# KiCad board alu_ctrl.kicad_pcb (continued)
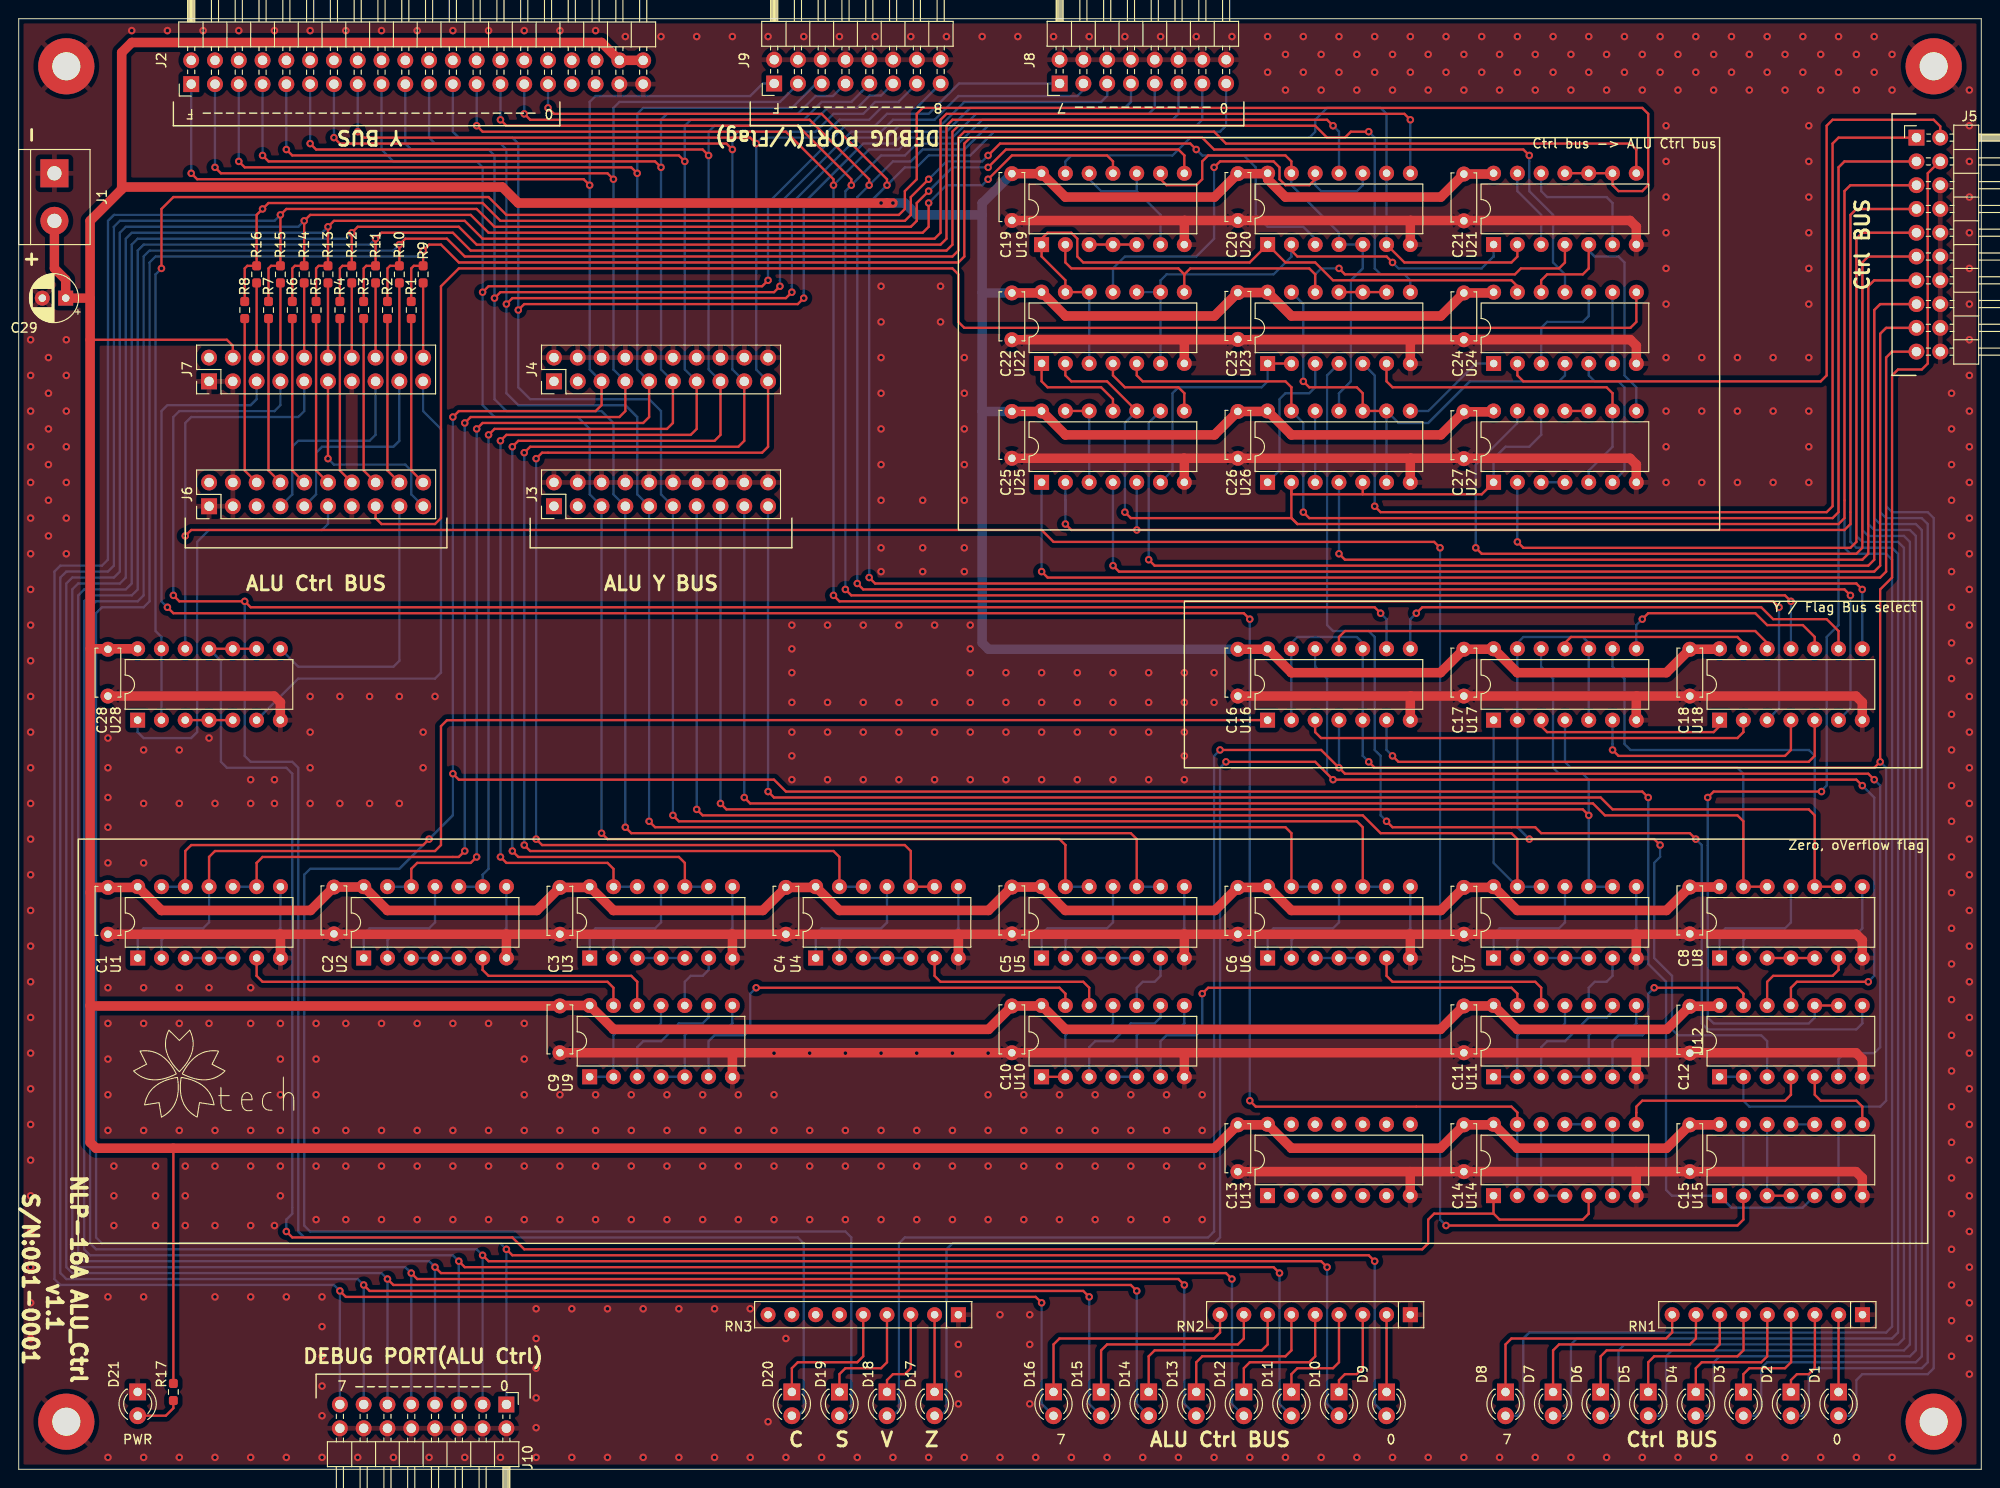
[diagram p0: board, top side]
## Routing (per net, layer and track width the routed paths; a pad name or vN(x,y) marks a point on that pad's centre or on a via; arc(x,y) is an arc through that point) (continued)
Y_Flag_BUS2: length 235.9
  Top w0.25: v1(189.23,92.71) 188.59,93.34 88.9,93.34 v1(88.27,93.98) ; v1(88.9,137.16) 88.9,137.8 83.19,143.51 52.07,143.51 v1(51.44,144.15)
  Bottom w0.25: U18.11 189.22,92.7 v1(189.23,92.71) ; 51.44,147.95 v1(51.44,144.15) ; J8.11 123.84,144.79 123.19,144.15 102.87,144.15 100.33,141.6 95.88,141.6 94.61,140.34 92.08,140.34 v1(88.9,137.16) 88.27,136.53 v1(88.27,93.98)
Y_Flag_BUS3: length 243.8
  Top w0.25: v1(86.99,93.34) 87.63,92.71 187.32,92.71 v1(187.96,92.08) ; v1(48.89,143.51) 49.53,142.88 81.91,142.88 86.99,137.8 v1(86.99,137.16)
  Bottom w0.25: U18.3 187.94,81.28 187.96,81.28 v1(187.96,92.08) ; v1(86.99,93.34) v1(86.99,137.16) 90.8,140.97 93.98,140.97 95.25,142.24 99.69,142.24 102.23,144.78 120.65,144.78 121.3,145.43 J8.9 ; 48.89,147.95 v1(48.89,143.51)
Y_Flag_sel: length 210.1
  Top w0.25: v1(144.15,75.56) 144.78,74.93 198.12,74.93 v1(198.75,75.56) 198.75,93.98 200.03,95.25 200.03,116.84 200.66,117.47 203.2,117.47 203.84,118.11 203.84,138.43 205.1,139.7 J5.4
  Bottom w0.25: U12.1 184.15,41.92 ; v1(198.75,75.56) 199.39,74.93 199.39,39.37 198.75,38.73 184.78,38.73 184.15,39.37 184.15,41.91 ; U16.2 U16.13 135.88,88.26 136.53,88.9 142.88,88.9 143.5,88.27 U16.10 U16.5 143.5,76.2 v1(144.15,75.56)
Z: length 215.4
  Top w0.25: v1(128.91,75.56) 138.43,75.56 v1(140.34,73.66) 196.22,73.66 v1(196.85,73.03) ; U12.11 189.22,51.43 189.87,52.07 v1(197.48,52.07)
  Bottom w0.25: v1(197.48,52.07) 198.12,52.7 198.12,71.75 v1(196.85,73.03) ; D17.2 98.43,5.72 99.06,6.35 99.06,23.5 99.69,24.13 127.63,24.13 128.27,24.76 128.27,74.93 v1(128.91,75.56) ; v1(140.34,73.66) 139.7,74.3 139.7,84.45 138.42,85.73 U16.12
~{A_sign}: length 222.3
  Top w0.25: U28.11 U28.9 ; U14.5 167.63,27.31 167.64,27.31 167,26.67 158.12,26.67 157.47,27.31 ; 157.47,27.31 157.46,27.31 151.13,27.31 150.5,26.67 150.5,24.13 149.86,23.5 53.97,23.5 52.7,24.76 29.21,24.76 v1(28.57,25.4) ; 157.47,27.31 U14.1
  Bottom w0.25: v1(28.57,25.4) 28.57,26.67 29.21,27.31 29.21,74.3 28.57,74.93 22.22,74.93 21.59,75.56 21.59,86.36 U28.11
~{C0}: length 73.7
  Top w0.25: U24.13 160.02,126.37 159.38,127 140.34,127 138.43,128.91 135.25,128.91 133.34,130.81 133.34,130.82 131.43,128.91 113.66,128.91 113.03,129.54 113.03,131.44 112.4,132.08 109.85,132.08 109.22,131.44 109.22,129.55 111.75,127 U22.13 114.29,125.74
  Bottom w0.25: 114.29,118.12 114.29,125.74
~{C1}: length 65
  Top w0.25: 124.45,127.63 125.09,128.27 137.79,128.27 138.43,127.63 138.42,127.63 138.42,125.74 ; 124.45,127.63 124.46,127.63 123.82,128.27 112.4,128.27 111.75,128.91 111.75,130.82 ; 124.45,127.63 124.45,125.74 ; U21.4 165.09,128.9 164.47,128.27 160.39,128.27 159.76,127.63 141.6,127.63 v1(140.97,128.27)
  Bottom w0.25: v1(140.97,128.27) 139.06,128.27 138.42,127.63 138.42,125.74
~{C2}: length 69.2
  Top w0.25: U21.2 160.01,129.53 159.38,128.91 147.95,128.91 146.04,130.81 146.04,130.82
  Bottom w0.25: 146.04,130.82 146.04,138.44 ; U19.13 111.75,139.69 112.4,140.34 123.19,140.34 125.09,142.24 137.79,142.24 138.43,142.88 138.43,144.15 139.7,145.41 145.41,145.41 146.05,144.78 146.05,138.43
~{C3}: length 51.9
  Top w0.25: v1(137.16,116.2) 137.79,115.57 142.88,115.57 143.5,114.94 U26.10 U26.9
  Bottom w0.25: U24.4 165.1,116.84 164.47,116.2 154.94,116.2 150.5,111.76 147.32,111.76 147.32,111.77 U26.9 U26.6 ; U23.13 137.16,124.46 v1(137.16,116.2)
Net-(D1-Pad1): length 8.3
  Top w0.25: D1.1 194.31,16.5 RN1.2
Net-(D2-Pad1): length 10.1
  Top w0.25: RN1.3 191.78,11.44 191.77,11.43 191.77,10.79 191.13,10.16 189.87,10.16 189.23,9.53 D2.1
Net-(D3-Pad1): length 12.6
  Top w0.25: D3.1 184.15,10.16 184.78,10.79 188.59,10.79 189.25,11.44 RN1.4
Net-(D4-Pad1): length 15.1
  Top w0.25: D4.1 179.07,10.79 179.7,11.43 186.06,11.43 186.69,12.06 186.69,12.7 186.7,12.72 RN1.5
Net-(D5-Pad1): length 17.7
  Top w0.25: D5.1 173.99,11.43 174.62,12.06 183.51,12.06 184.16,12.72 RN1.6
Net-(D6-Pad1): length 20.2
  Top w0.25: D6.1 168.91,12.06 169.54,12.7 180.97,12.7 181.62,13.35 RN1.7
Net-(D7-Pad1): length 22.8
  Top w0.25: D7.1 163.83,12.7 164.47,13.34 178.44,13.34 179.09,13.98 RN1.8
Net-(D8-Pad1): length 25.3
  Top w0.25: RN1.9 176.54,14.62 175.9,13.97 159.38,13.97 158.75,13.34 D8.1
Net-(D9-Pad1): length 8.3
  Top w0.25: RN2.2 D9.1
Net-(D10-Pad1): length 10
  Top w0.25: RN2.3 143.51,10.79 142.88,10.16 141.6,10.16 140.97,9.53 D10.1
Net-(D11-Pad1): length 12.6
  Top w0.25: RN2.4 140.97,11.43 140.34,10.79 136.53,10.79 135.89,10.16 D11.1
Net-(D12-Pad1): length 15.1
  Top w0.25: RN2.5 138.43,12.06 137.79,11.43 131.44,11.43 130.81,10.79 D12.1
Net-(D13-Pad1): length 17.7
  Top w0.25: RN2.6 135.89,12.7 135.25,12.06 126.37,12.06 125.73,11.43 D13.1
Net-(D14-Pad1): length 20.2
  Top w0.25: RN2.7 133.35,13.34 132.72,12.7 121.28,12.7 120.65,12.06 D14.1
Net-(D15-Pad1): length 22.8
  Top w0.25: RN2.8 130.81,13.97 130.17,13.34 116.2,13.34 115.57,12.7 D15.1
Net-(D16-Pad1): length 25.3
  Top w0.25: D16.1 110.49,13.34 111.12,13.97 127.63,13.97 128.27,14.6 RN2.9
Net-(D17-Pad1): length 8.2
  Top w0.25: RN3.2 D17.1
Net-(D18-Pad1): length 10
  Top w0.25: D18.1 92.71,9.53 93.34,10.16 94.61,10.16 95.25,10.79 RN3.3
Net-(D19-Pad1): length 12.6
  Top w0.25: D19.1 87.63,10.16 88.27,10.79 92.08,10.79 92.71,11.43 RN3.4
Net-(D20-Pad1): length 15.1
  Top w0.25: RN3.5 90.17,12.06 89.53,11.43 83.19,11.43 82.55,10.79 D20.1
Net-(D21-Pad2): length 5
  Top w0.25: R17.2 16.51,6.53 15.7,5.72 D21.2
Net-(J6-Pad6): length 18
  Top w0.25: J6.6 24.13,106.68 R8.1
Net-(J6-Pad7): length 22
  Bottom w0.25: J7.15 38.1,110.49 37.47,109.85 29.85,109.85 29.21,109.22 29.21,104.13 J6.7
Net-(J6-Pad8): length 18
  Top w0.25: R7.1 26.67,106.68 J6.8
Net-(J6-Pad9): length 22
  Bottom w0.25: J7.17 40.64,109.85 40,109.22 32.39,109.22 31.75,108.58 31.75,104.13 J6.9
Net-(J6-Pad10): length 18
  Top w0.25: J6.10 29.21,106.68 R6.1
Net-(J6-Pad12): length 18
  Top w0.25: 33.03,105.41 31.75,106.68 R5.1
Net-(J6-Pad14): length 18
  Top w0.25: R4.1 34.29,106.68 J6.14
Net-(J6-Pad16): length 18
  Top w0.25: R3.1 36.83,106.68 J6.16
Net-(J6-Pad18): length 18
  Top w0.25: J6.18 39.37,106.68 R2.1
Net-(J6-Pad19): length 21.6
  Top w0.25: J7.11 v1(33.02,107.95)
  Bottom w0.25: v1(33.02,107.95) 33.66,107.31 41.28,107.31 41.91,106.68 41.91,104.14 42.87,103.18
Net-(J6-Pad20): length 18
  Top w0.25: R1.1 41.91,106.68 J6.20
Net-(J7-Pad6): length 8
  Top w0.25: R16.1 J7.6
Net-(J7-Pad8): length 8
  Top w0.25: R15.1 J7.8
Net-(J7-Pad10): length 8
  Top w0.25: R14.1 J7.10
Net-(J7-Pad12): length 8
  Top w0.25: R13.1 J7.12
Net-(J7-Pad14): length 8
  Top w0.25: R12.1 J7.14
Net-(J7-Pad16): length 8
  Top w0.25: R11.1 J7.16
Net-(J7-Pad18): length 8
  Top w0.25: R10.1 J7.18
Net-(J7-Pad20): length 8
  Top w0.25: R9.1 J7.20
Net-(U1-Pad1): length 144.2
  Top w0.25: U16.1 47.63,80.02 47.62,80.01 45.72,80.01 45.08,79.38 45.08,66.67 44.45,66.04 20.96,66.04 20.32,65.41 20.32,65.4 U1.11
  Bottom w0.25: U1.1 12.71,57.14 12.7,57.15 13.33,57.78 19.68,57.78 20.32,58.42 U1.11
Net-(U1-Pad2): length 19.6
  Bottom w0.25: U1.2 15.25,56.52 15.88,57.15 27.31,57.15 27.94,57.78 27.94,59.69 27.94,59.69 U1.8
Net-(U1-Pad3): length 5.1
  Bottom w0.25: U1.3 U1.5
Net-(U1-Pad6): length 42.4
  Top w0.25: U9.13 63.5,51.44 62.86,52.07 26.04,52.07 25.4,52.7 25.4,52.71 U1.6
Net-(U2-Pad1): length 14.5
  Bottom w0.25: U2.1 36.83,57.14 36.83,57.15 37.47,57.78 43.81,57.78 44.45,58.42 U2.11
Net-(U2-Pad2): length 19.6
  Bottom w0.25: U2.8 52.08,57.79 51.44,57.15 40,57.15 39.37,56.52 39.38,56.51 U2.2
Net-(U2-Pad3): length 5.1
  Bottom w0.25: U2.3 U2.5
Net-(U2-Pad6): length 20.8
  Top w0.25: 66.03,49.54 66.03,52.06 66.04,52.07 65.41,52.7 50.16,52.7 49.53,53.34 49.53,53.34 U2.6
Net-(U3-Pad1): length 14.5
  Bottom w0.25: U3.1 60.97,57.14 60.96,57.15 61.59,57.78 67.94,57.78 68.58,58.42 U3.11
Net-(U3-Pad2): length 19.6
  Bottom w0.25: U3.2 63.5,56.51 63.5,56.52 64.13,57.15 75.56,57.15 76.2,57.79 U3.8
Net-(U3-Pad3): length 5.1
  Bottom w0.25: U3.3 U3.5
Net-(U3-Pad6): length 6.9
  Bottom w0.25: 71.11,49.54 71.11,52.06 71.75,52.7 73.02,52.7 73.66,53.34 U3.6
Net-(U4-Pad1): length 14.5
  Bottom w0.25: U4.11 92.71,58.41 92.72,58.41 92.08,57.78 85.73,57.78 85.09,57.14 U4.1
Net-(U4-Pad2): length 19.6
  Bottom w0.25: U4.2 87.63,56.5 88.27,57.14 99.7,57.14 100.33,57.78 100.33,57.78 U4.8
Net-(U4-Pad3): length 5.1
  Bottom w0.25: U4.3 U4.5
Net-(U5-Pad1): length 14.5
  Bottom w0.25: 109.22,54.61 109.22,57.15 109.85,57.78 116.2,57.78 116.84,58.42 116.84,62.23
Net-(U5-Pad2): length 19.6
  Bottom w0.25: 111.76,54.61 111.76,56.52 112.4,57.15 123.82,57.15 124.46,57.78 124.46,62.23
Net-(U5-Pad3): length 5.1
  Bottom w0.25: 114.3,54.61 119.38,54.61
Net-(U6-Pad1): length 14.5
  Bottom w0.25: U6.11 140.97,58.42 140.34,57.78 133.98,57.78 133.35,57.15 U6.1
Net-(U6-Pad2): length 19.6
  Bottom w0.25: U6.8 148.59,57.78 147.95,57.15 136.53,57.15 135.89,56.52 U6.2
Net-(U6-Pad3): length 5.1
  Bottom w0.25: U6.3 U6.5
Net-(U7-Pad1): length 14.5
  Bottom w0.25: 165.1,62.23 165.1,58.42 164.47,57.78 158.12,57.78 157.48,57.15 157.48,54.61
Net-(U7-Pad2): length 19.6
  Bottom w0.25: 160.02,54.61 160.02,56.52 160.66,57.15 172.09,57.15 172.72,57.78 172.72,62.23
Net-(U7-Pad3): length 5.1
  Bottom w0.25: 162.56,54.61 167.64,54.61
Net-(U8-Pad1): length 14.5
  Bottom w0.25: 189.23,62.23 189.23,58.42 188.59,57.78 182.25,57.78 181.61,57.15 181.61,54.61
Net-(U8-Pad2): length 19.6
  Bottom w0.25: 184.15,54.61 184.15,56.52 184.78,57.15 196.22,57.15 196.85,57.78 196.84,57.79 U8.8
Net-(U8-Pad3): length 5.1
  Top w0.25: U8.3 U8.5
Net-(U9-Pad1): length 14.5
  Bottom w0.25: 68.58,49.54 68.58,47.63 68.58,47.62 67.94,46.99 64.13,46.99 63.49,46.35 63.49,41.92 60.95,41.92
Net-(U9-Pad3): length 13.4
  Bottom w0.25: 73.66,49.54 73.66,48.27 73.66,48.26 73.02,47.62 70.48,47.62 68.58,45.72 66.67,45.72 66.03,45.08 66.03,41.92
Net-(U9-Pad4): length 14.5
  Bottom w0.25: 68.58,41.92 71.11,41.92 71.11,46.35 71.75,46.99 75.56,46.99 76.2,47.62 76.19,47.63 76.19,49.54
Net-(U10-Pad1): length 14.5
  Top w0.25: U10.1 U10.2
  Bottom w0.25: U10.2 111.75,46.35 112.4,46.99 116.2,46.99 116.84,47.62 116.84,47.63 U10.11
Net-(U10-Pad3): length 13.4
  Bottom w0.25: 114.29,41.92 114.29,45.08 114.94,45.72 116.84,45.72 118.75,47.62 121.28,47.62 121.92,48.26 121.91,48.27 U10.9
Net-(U10-Pad4): length 14.5
  Bottom w0.25: U10.4 U10.5 119.38,46.35 120.01,46.99 123.82,46.99 124.46,47.62 124.45,47.63 124.45,49.54
Net-(U10-Pad6): length 48
  Top w0.25: v1(126.37,50.8) 127,51.44 159.38,51.44 160.02,50.8 160.01,50.8 U11.13
  Bottom w0.25: U10.6 121.91,45.72 122.56,46.36 125.73,46.36 126.37,46.99 v1(126.37,50.8)
Net-(U10-Pad10): length 6.9
  Bottom w0.25: U10.10 119.38,51.43 120.01,52.07 121.28,52.07 121.92,52.7 121.92,53.33 121.91,53.33 U5.6
Net-(U10-Pad12): length 20.8
  Top w0.25: 114.29,49.54 114.29,51.43 114.3,51.44 113.66,52.07 98.42,52.07 97.79,52.7 U4.6
Net-(U10-Pad13): length 48
  Top w0.25: v1(78.74,51.44) 111.12,51.44 111.76,50.8 111.75,50.8 U10.13
  Bottom w0.25: U9.6 73.66,45.72 74.3,46.36 77.47,46.36 78.1,46.99 78.1,50.8 v1(78.74,51.44)
Net-(U11-Pad1): length 14.5
  Bottom w0.25: U11.1 U11.2 160.01,46.35 160.66,46.99 164.47,46.99 165.1,47.62 165.1,48.4 165.09,48.41 U11.11
Net-(U11-Pad3): length 13
  Bottom w0.25: U11.3 162.56,45.08 163.19,45.72 165.1,45.72 167.64,48.26 169.54,48.26 170.18,48.89 170.18,49.53 U11.9
Net-(U11-Pad4): length 14.5
  Bottom w0.25: U11.4 U11.5 167.63,46.35 168.28,46.99 172.09,46.99 172.72,47.62 172.72,47.63 U11.8
Net-(U11-Pad6): length 23.9
  Top w0.25: 184.15,49.53 184.15,50.79 184.15,50.8 184.15,50.8 183.51,51.44 v1(174.62,51.44)
  Bottom w0.25: U11.6 170.17,45.72 170.81,46.36 173.35,46.36 173.99,46.99 173.99,50.8 v1(174.62,51.44)
Net-(U11-Pad10): length 6.9
  Bottom w0.25: U7.6 170.17,53.34 170.18,53.34 170.18,52.7 169.54,52.07 168.28,52.07 167.63,51.43 U11.10
Net-(U11-Pad12): length 20.8
  Top w0.25: U11.12 162.56,51.43 162.56,51.44 161.92,52.07 146.69,52.07 146.05,52.7 U6.6
Net-(U12-Pad3): length 88
  Top w0.25: v1(175.26,66.67) 174.62,67.31 v1(161.29,67.31)
  Bottom w0.25: v1(175.26,66.67) 175.26,65.41 174.62,64.77 174.62,54.61 176.53,52.7 176.53,46.99 177.16,46.36 186.06,46.36 186.69,45.72 186.69,45.08 186.69,45.08 U12.3 ; U17.10 167.63,88.26 ; U17.10 U17.5 ; U17.10 167.63,88.27 167,88.9 160.66,88.9 160.01,88.26 U17.13 U17.2 160.02,80.02 160.02,68.58 v1(161.29,67.31)
Net-(U12-Pad4): length 20.8
  Top w0.25: U14.8 172.71,38.09 172.72,38.1 172.72,38.73 173.35,39.37 188.59,39.37 189.23,40 189.22,40.01 U12.4
Net-(U12-Pad5): length 9.4
  Top w0.25: 191.77,41.91 191.77,40 192.41,39.37 196.22,39.37 196.85,38.73 196.84,38.73 U15.8
Net-(U12-Pad8): length 127.6
  Top w0.25: v1(179.07,67.31) 178.44,67.94 162.56,67.94 161.92,68.58 146.69,68.58 v1(146.05,69.22)
  Bottom w0.25: U23.4 139.7,116.84 139.7,90.17 140.34,89.53 144.15,89.53 144.78,88.9 144.78,76.83 145.41,76.2 145.41,69.85 v1(146.05,69.22) ; v1(179.07,67.31) 179.7,66.67 179.7,47.62 180.34,46.99 196.22,46.99 196.85,47.62 196.84,47.63 U12.8
Net-(U12-Pad12): length 12
  Top w0.25: U12.12 186.69,52.06 187.32,52.7 193.67,52.7 194.31,53.34 194.31,53.34 194.31,54.61
Net-(U14-Pad6): length 7.6
  Bottom w0.25: U14.6 U14.9
Net-(U14-Pad10): length 2.5
  Bottom w0.25: U14.10 U14.11
Net-(U14-Pad12): length 10.2
  Bottom w0.25: U14.4 U14.3 U14.12
Net-(U15-Pad6): length 7.6
  Bottom w0.25: 194.31,36.84 194.31,29.22
Net-(U15-Pad10): length 2.5
  Bottom w0.25: U15.11 U15.10
Net-(U15-Pad12): length 10.2
  Top w0.25: U15.3 U15.4
  Bottom w0.25: U15.3 U15.12
Net-(U16-Pad3): length 48.8
  Top w0.25: 184.15,80.02 184.15,78.75 184.15,78.74 183.51,78.11 139.06,78.11 138.42,78.74 U16.3
Net-(U16-Pad6): length 53.5
  Top w0.25: v1(146.69,76.2) 147.32,75.56 191.12,75.56 191.76,76.2 U18.5
  Bottom w0.25: v1(146.69,76.2) 146.04,76.84 U16.6
Net-(U16-Pad8): length 52.4
  Top w0.25: 194.31,87.64 194.31,89.53 194.31,89.53 193.04,90.8 187.32,90.8 186.06,92.08 149.86,92.08 v1(149.22,91.44)
  Bottom w0.25: U16.8 148.59,90.16 148.59,90.17 148.59,90.8 v1(149.22,91.44)
Net-(U16-Pad11): length 48.4
  Top w0.25: U18.12 186.69,88.27 185.42,89.53 141.6,89.53 140.97,88.89 U16.11
Net-(U17-Pad3): length 20.9
  Top w0.25: U18.1 181.6,79.37 180.97,78.74 163.19,78.74 162.56,79.38 U17.3
Net-(U17-Pad6): length 26
  Top w0.25: v1(170.18,76.83) 170.81,76.2 188.59,76.2 189.23,76.83 189.22,76.84 U18.4
  Bottom w0.25: v1(170.18,76.83) 170.18,77.47 170.17,77.47 U17.6
Net-(U17-Pad8): length 24.4
  Top w0.25: v1(173.35,90.8) 173.99,91.44 185.42,91.44 186.69,90.17 190.5,90.17 191.76,88.91 U18.10
  Bottom w0.25: v1(173.35,90.8) 172.72,90.16 U17.8
Net-(U17-Pad11): length 20.8
  Top w0.25: 184.15,87.64 184.15,88.27 183.51,88.9 165.73,88.9 165.09,88.26 U17.11
Net-(U19-Pad3): length 5.1
  Top w0.25: 114.29,130.82 119.38,130.82
Net-(U19-Pad10): length 14.9
  Bottom w0.25: 119.38,138.44 119.38,136.53 119.38,136.53 ; 119.38,136.53 115.57,136.53 114.29,137.8 114.29,138.44 ; 119.38,136.53 121.92,133.99 121.91,133.98 121.91,130.82
Net-(U21-Pad12): length 14.5
  Bottom w0.25: U21.6 170.17,135.25 170.18,135.25 169.54,135.89 163.19,135.89 162.56,136.53 U21.12
Net-(U21-Pad13): length 8.7
  Bottom w0.25: U21.3 162.56,133.99 160.01,136.53 U21.13
Net-(U22-Pad1): length 11.6
  Top w0.25: U25.11 116.84,114.31 115.57,115.57 109.85,115.57 109.22,116.21 U22.1
Net-(U22-Pad4): length 11.6
  Top w0.25: 124.45,113.04 124.45,114.93 124.46,114.94 123.82,115.57 118.11,115.57 116.84,116.84 U22.4
Net-(U23-Pad1): length 25.2
  Top w0.25: U23.2 U23.1
  Bottom w0.25: U23.1 133.35,116.2 132.72,115.57 123.82,115.57 123.19,114.94 123.19,106.68 123.17,106.68 U25.6
Net-(U23-Pad3): length 16.3
  Bottom w0.25: U23.3 138.43,115.57 137.79,114.94 135.25,114.94 134.62,114.3 134.62,106.69 U26.1
Net-(U23-Pad6): length 37.1
  Top w0.25: U27.9 170.17,114.93 170.18,114.94 169.54,115.57 146.69,115.57 146.04,116.21 146.04,118.12
  Bottom w0.25: U27.9 170.17,109.22 170.18,109.22 167.63,106.67 U27.5
Net-(U23-Pad10): length 5.1
  Top w0.25: 140.97,125.74 146.04,125.74
Net-(U24-Pad6): length 7.6
  Bottom w0.25: U24.6 U24.9
Net-(U24-Pad10): length 12
  Bottom w0.25: U24.3 162.56,121.92 163.19,122.56 167,122.56 167.64,123.19 U24.10
Net-(U25-Pad12): length 10.2
  Top w0.25: 114.29,113.04 U25.13
  Bottom w0.25: 114.29,105.42 114.29,113.04
Net-(U26-Pad12): length 7.6
  Bottom w0.25: U26.3 U26.12
Net-(U27-Pad3): length 2.5
  Bottom w0.25: U27.3 U27.4
Net-(U27-Pad10): length 2.5
  Top w0.25: U27.11 U27.10
Net-(U28-Pad3): length 5.1
  Top w0.25: U28.3 U28.5

## Copper pours and planes (outline as drawn; the poured copper is in the pictures)
GND on Top, Bottom: 209.55,0 0,0 0,154.94 209.55,154.94

## Text on the board
User.Comments: 上位オクテット | 下位オクテット
F.Silkscreen: PWR | 7 ------------ 0 | 7                                             0 | Ctrl bus -> ALU Ctrl bus | Y / Flag Bus select | Zero, oVerflow flag | 0 ----------------------------- F | 8 ------------ F | 0 ------------ 7 | ALU Ctrl BUS | DEBUG PORT(ALU Ctrl) | ALU Y BUS | C   S   V   Z | Ctrl BUS | +          - | Y BUS | DEBUG PORT(Y/Flag) | NLP-16A ALU_Ctrl / v1.1 / S/N:001-0001
